# Altium PCB PCB,SafetySystem.PcbDoc (part 2 of 2)
Units mm, origin at the board's own origin, x right, y up, seen from the top; angles counter-clockwise.
Board outline 86.61 x 56.9 mm, 2 copper layers (Top Layer, Bottom Layer); 88 components, 88 nets, 378 pads, 31 vias.
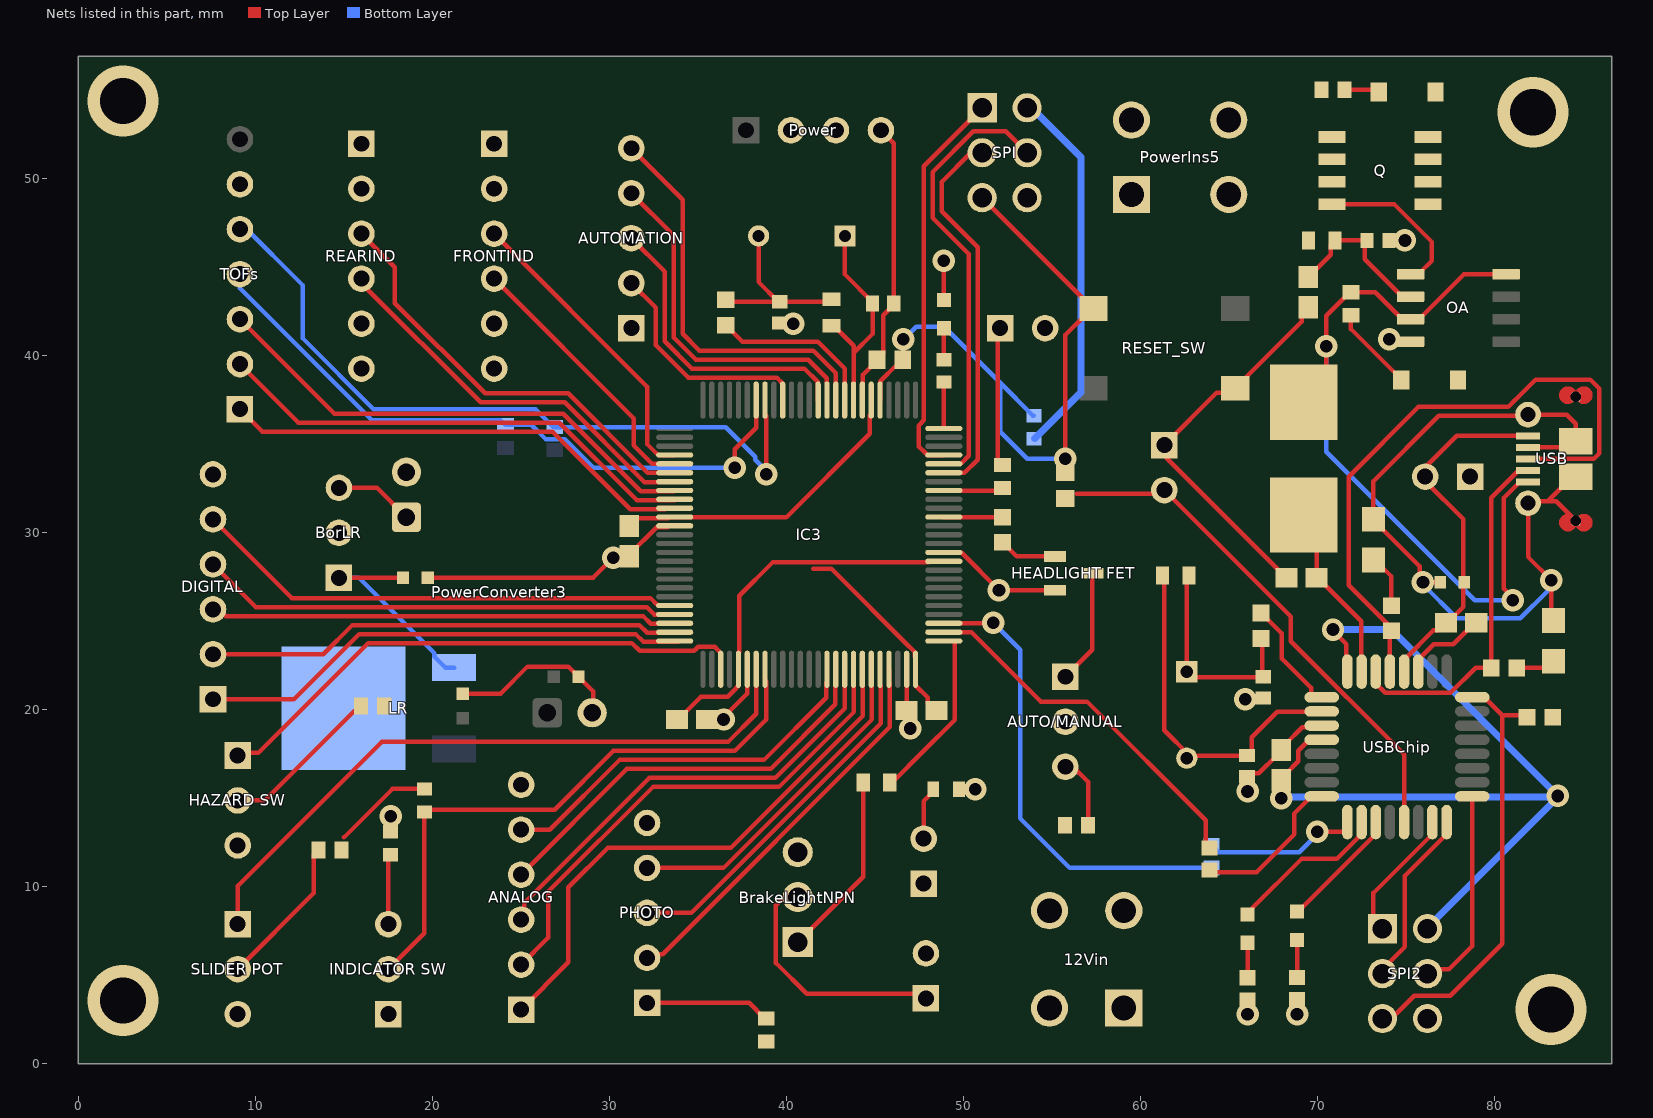
[diagram p2: the nets of this part, all layers, seen from the top]

## Via types
v1: diameter 1.27, hole 0.711, Top Layer to Bottom Layer, 27 vias
v2: diameter 4, hole 2.6, Top Layer to Bottom Layer, 4 vias

## Nets (pads, with @x,y where several pads share a name; then routed paths per layer and width w, separated by ;. In a path a pad name is that pad's centre, name@x,y a point inside that pad or via, vN(x,y) a via of type N, cw(c..) or ccw(c..) an arc to the next point about the centre after c; other vN are vias at no path point) (continued)
+5: BorLR.2 C4.2 C5.2 C6.2 C29.1 D2.1 D3.1 FRONTIND.1 FRONTIND.6 IC3.10 IC3.31 IC3.61 IC3.80 IC3.100 Power.2 Q.5 Q.6 Q.7 Q.8 R4.2 REARIND.1 REARIND.6 RHAZARD.1 RIND1.1 RPHOTO?.1 RRESET.2 RSLIDER.1 SPI2.2 SPI.2 USBChip.4 USBChip.32 | length 123.8
  Top Layer w0.254: 15.018,12.772 17.755,15.509 RIND1.1@19.558,15.509 ; C5.2@31.115,30.353 31.115,30.374 31.538,30.797 33.323,30.797 33.379,30.853 34.609,30.853 34.612,30.856 34.612,30.861 40.005,30.861 44.704,35.56 IC3.31@44.704,36.603 ; C5.2@31.496,29.972 C5.2@31.496,30.047 ; C6.2@34.321,19.856 35.174,20.709 36.684,20.709 37.172,21.197 37.172,21.232 37.279,21.339 37.279,22.237 IC3.80@37.295,22.253 ; IC3.80@37.291,22.265 37.291,23.177 37.338,23.224 37.338,26.416 39.243,28.321 IC3.10@48.031,28.321 ; 41.529,27.94 42.545,27.94 46.943,23.542 46.947,23.542 47.244,23.245 IC3.100@47.244,22.987 ; IC3.100@47.303,21.844 47.303,21.345 47.977,20.671 47.977,20.31 C4.2@48.475,19.812 ; v1(67.945,14.986) C29.1@67.945,16.002 ; C29.1@68.209,16.373 68.907,17.072 68.907,17.672 69.524,18.288 USBChip.4@70.231,18.288 ; v1@70.866,24.436 71.627,23.675 71.627,22.192 USBChip.32@71.681,22.138
  Bottom Layer w0.254: RRESET.2@53.975,35.291 RRESET.2@54.025,35.291 ; v1(67.945,14.986) v1@68.008,15.05 ; SPI2.2@76.2,7.62 SPI2.2@76.2,7.683 ; v1@83.502,15.05 v1(83.566,15.113) v1@83.566,15.05
  Bottom Layer w0.4: SPI.2@53.848,53.975 56.642,51.181 56.642,37.908 RRESET.2@54.025,35.291 ; v1@68.008,15.05 v1@83.502,15.05 ; v1(70.866,24.511) 74.168,24.511 v1(83.566,15.113) ; SPI2.2@76.2,7.683 v1@83.566,15.05
+12: 12Vin.2 12Vin.4 BRAKELIGHT.2 RHEADLIGHTS.2 TAILLIGHT.1 | length 0.1
  Top Layer w0.254: RHEADLIGHTS.2@55.738,13.387 RHEADLIGHTS.2@55.738,13.462
ADC3: ANALOG.1 IC3.94 | length 30.4
  Top Layer w0.254: ANALOG.1@25.019,3.048 27.686,5.715 27.686,9.955 29.923,12.192 36.87,12.192 44.323,19.645 IC3.94@44.323,21.336
ADC4: ANALOG.2 IC3.93 | length 28.6
  Top Layer w0.254: ANALOG.2@25.019,5.588 26.543,7.112 26.543,9.696 32.468,15.621 39.58,15.621 43.815,19.856 43.815,21.571 43.812,21.573 43.812,22.236 IC3.93@43.795,22.253
ADC5: ANALOG.3 IC3.92 | length 24.9
  Top Layer w0.254: ANALOG.3@25.184,8.293 25.184,9.055 32.258,16.129 39.37,16.129 43.307,20.066 43.307,21.316 43.3,21.324 43.3,21.513 IC3.92@43.307,21.52
ADC6: ANALOG.4 IC3.91 | length 22.8
  Top Layer w0.254: ANALOG.4@25.019,10.668 30.988,16.637 39.116,16.637 42.763,20.284 IC3.91@42.763,21.349
ADC7: ANALOG.5 IC3.90 | length 21.2
  Top Layer w0.254: ANALOG.5@25.019,13.208 26.64,13.208 30.577,17.145 38.735,17.145 42.255,20.665 IC3.90@42.255,21.513
D+: RDA2.2 USB.3 USBChip.29 | length 36.2
  Top Layer w0.254: USBChip.29@74.081,22.138 RDA2.2@74.081,24.01 ; RDA2.2@74.408,24.35 71.755,27.004 71.755,33.147 75.692,37.084 80.772,37.084 80.993,37.305 cw(c81.882,36.647) 81.224,37.536 82.316,38.628 85.397,38.628 85.913,38.112 85.913,34.457 85.603,34.147 USB.3@81.882,34.147
D-: RDA1.2 USB.2 USBChip.30 | length 19.8
  Top Layer w0.254: USBChip.30@73.281,22.138 73.281,21.463 73.808,20.936 77.499,20.936 78.92,22.356 79.807,22.356 79.807,31.955 79.883,32.031 79.883,32.044 USB.2@81.323,33.485
GND: 12Vin.1 12Vin.3 "HAZARD SW.3" "HEADLIGHT FET.2" "INDICATOR SW.1" "SLIDER POT.3" ANALOG.6 AUTO/MANUAL.2 AUTOMATION.1 BrakeLightNPN.3 BUZZER.2 C1.2 C4.1 C5.1 C6.1 C7.1 C10.1 C11.2 C15.1 C29.2 CLRI.2 CLRO.2 CPC5.2 CX1.1 CX2.1 DIGITAL.6 FRONTIND.2 FRONTIND.5 GNDJumper.1 IC3.11 IC3.32 IC3.62 IC3.81 IC3.99 LR.3 OA.4 PHOTO.5 Power.3 Power.4 PowerConverter3.2 PowerConverter3.4 PowerIns5.1 PowerIns5.3 R22.1 REARIND.2 REARIND.5 RESET_SW.4 RIND2.2 RLEDR.2 RLEDT.2 RTAILLIGHT.2 SPI2.6 SPI.6 TESTLED.1 TOFs.6 USBBootJumper.1 USBChip.3 | length 87
  Top Layer w0.254: RIND2.2@17.653,13.096 v1(17.653,13.97) ; CLRI.2@19.75,27.432 29.083,27.432 v1(30.226,28.575) C5.1@31.037,28.575 ; CLRO.2@21.717,20.893 23.858,20.893 25.386,22.421 27.682,22.421 CPC5.2@28.259,21.844 29.083,21.02 PowerConverter3.4@29.083,20.152 ; C5.1@31.115,28.728 32.677,30.29 IC3.62@33.294,30.29 ; C6.1@35.521,19.431 v1(36.449,19.431) 36.449,19.558 37.787,20.896 IC3.81@37.787,21.844 ; CX1.1@39.624,41.818 40.354,41.818 v1(40.386,41.785) ; IC3.32@44.323,38.334 44.323,38.902 C1.2@45.122,39.701 ; Power.4@45.339,52.705 46.066,51.978 CX2.1@46.066,42.926 ; C1.2@45.47,40.099 45.47,42.255 CX2.1@46.066,42.851 ; C4.1@46.791,19.955 46.791,22.249 IC3.99@46.795,22.253 ; v1(46.99,18.923) C4.1@46.99,19.724 ; IC3.11@48.895,28.853 48.904,28.844 49.896,28.844 v1(52.004,26.736) 55.177,26.736 ; TESTLED.1@48.895,43.129 v1(48.895,45.339) ; RTAILLIGHT.2@49.747,15.494 v1(50.673,15.494) ; USBBootJumper.1@61.341,34.925 64.309,37.893 RESET_SW.4@64.668,37.893 ; USBBootJumper.1@61.487,34.779 61.487,34.182 C7.1@68.091,27.578 ; RESET_SW.4@65.419,38.213 69.09,41.885 C15.1@69.09,42.332 ; v1@65.927,20.588 65.948,20.609 66.894,20.609 C10.1@66.929,20.644 ; v1(66.04,2.794) RLEDR.2@66.04,3.594 ; v1(66.04,15.367) C11.2@66.04,16.169 ; C11.2@66.199,16.39 66.675,16.39 C29.2@67.688,17.402 ; C29.2@68.184,18.049 69.136,19.001 69.375,19.001 69.462,19.088 USBChip.3@70.231,19.088 ; v1(68.834,2.794) RLEDT.2@68.834,3.603 ; v1(74.041,40.894) 74.105,40.831 75.182,40.831 OA.4@75.245,40.767
  other v1: 65.913,20.574 74.93,46.482
  other v2: 83.185,3.048 2.54,3.556 82.169,53.721 2.54,54.356
HAZARD: "HAZARD SW.1" IC3.78 | length 31.1
  Top Layer w0.254: 9.17,17.552 10.186,17.552 16.383,23.749 31.274,23.749 31.718,23.304 34.798,23.304 35.024,23.53 35.123,23.53 35.135,23.542 35.947,23.542 36.168,23.321 36.168,23.3 36.295,23.173 IC3.78@36.295,22.253
INDICATOR: "INDICATOR SW.2" IC3.83 RIND1.2 | length 32.8
  Top Layer w0.254: 17.526,5.334 19.558,7.366 RIND1.2@19.558,13.97 ; RIND1.2@19.812,14.339 26.912,14.339 30.226,17.653 37.084,17.653 38.853,19.422 IC3.83@38.853,21.59
JumperBottom: C9.1 USBBootJumper.2 USBChip.13 | length 29.2
  Top Layer w0.254: 56.388,32.168 61.558,32.168 68.481,25.245 68.481,23.858 74.881,17.458 USBChip.13@74.881,13.638
L1Left: DA1.1 DA2.1 FB.1 USB.4 USB.6 USB.7 USB.8 USB.9 USB.10 USB.11 | length 46.5
  Top Layer w0.254: DA2.1@73.152,30.691 75.752,28.091 75.752,27.372 v1(75.946,27.178) FB.1@76.922,27.178 ; DA2.1@73.152,30.741 73.152,32.893 76.835,36.576 USB.7@81.873,36.576 ; USB.4@81.882,34.797 84.232,34.797 USB.10@84.582,35.147 ; USB.7@81.882,36.647 84.061,36.647 84.579,36.129 USB.10@84.579,35.15 ; DA1.1@83.312,25.026 83.185,25.153 v1(83.185,27.305) 81.882,28.608 USB.6@81.882,31.647 81.988,31.753 82.988,31.753 ; USB.8@84.582,30.647 83.476,31.753 82.988,31.753 ; USB.9@84.582,33.147 84.382,33.147 82.988,31.753
  Bottom Layer w0.254: v1@75.946,27.051 77.851,25.146 81.447,25.146 82.991,26.69 82.991,27.111 v1(83.185,27.305)
LD+: DA2.2 RDA2.1 | length 3
  Top Layer w0.254: DA2.2@73.279,28.448 73.279,28.398 74.168,27.509 RDA2.1@74.168,25.861
LD-: DA1.2 RDA1.1 | length 2.1
  Top Layer w0.254: RDA1.1@81.233,22.352 DA1.2@83.312,22.352
LEDR: LED4.2 RLEDR.1 | length 1.7
  Top Layer w0.254: RLEDR.1@66.04,5.08 LED4.2@66.04,6.82
LEDT: LED3.2 RLEDT.1 | length 1.9
  Top Layer w0.254: RLEDT.1@68.834,5.08 LED3.2@68.834,6.985
LINDFRONT: FRONTIND.3 IC3.54 | length 17.3
  Top Layer w0.254: FRONTIND.3@23.495,46.863 32.131,38.227 32.131,34.984 32.639,34.476 32.66,34.476 32.783,34.353 IC3.54@33.695,34.353
LINDREAR: IC3.56 REARIND.3 | length 24.5
  Top Layer w0.254: REARIND.3@16.002,46.863 17.892,44.973 17.892,42.941 22.987,37.846 27.686,37.846 32.179,33.353 IC3.56@33.695,33.353
LRN: BorLR.1 CLRI.1 LR.1 | length 12.3
  Top Layer w0.254: BorLR.1@14.732,27.432 CLRI.1@18.35,27.432
  Bottom Layer w0.254: BorLR.1@14.732,27.432 15.863,27.432 20.113,23.182 20.113,22.989 20.736,22.366 LR.1@21.236,22.366
M8RXD: RM8RXD.1 USBChip.9 | length 8.2
  Top Layer w0.254: v1(69.977,13.081) 69.981,13.085 USBChip.9@71.521,13.085
  Bottom Layer w0.254: RM8RXD.1@64.008,12.3 64.034,12.3 64.396,11.938 68.961,11.938 69.977,12.954 v1(69.977,13.081)
M8TXD: RM8TXD.1 USBChip.8 | length 8.7
  Top Layer w0.254: RM8TXD.1@63.995,10.817 66.56,10.817 68.681,12.939 68.681,14.119 69.65,15.088 USBChip.8@70.231,15.088
MISO2: SPI2.1 USBChip.15 | length 7.6
  Top Layer w0.254: SPI2.1@73.66,7.62 73.152,8.128 73.152,9.634 76.481,12.963 USBChip.15@76.481,13.638
MOSI2: SPI2.4 USBChip.17 | length 11.3
  Top Layer w0.254: SPI2.4@76.434,5.314 77.406,5.314 78.731,6.639 USBChip.17@78.731,15.088
NetAUTO/MANUAL_1: "HEADLIGHT FET.3" AUTO/MANUAL.1 | length 6.5
  Top Layer w0.254: AUTO/MANUAL.1@55.753,21.844 57.277,23.368 57.277,27.686
NetAUTO/MANUAL_3: AUTO/MANUAL.3 RHEADLIGHTS.1 | length 3.8
  Top Layer w0.254: AUTO/MANUAL.3@56.092,16.849 57.038,15.904 RHEADLIGHTS.1@57.038,13.462
NetAUTOMATION_2: AUTOMATION.2 IC3.41 | length 13.1
  Top Layer w0.254: AUTOMATION.2@31.242,44.069 32.617,42.694 32.617,40.578 34.454,38.742 39.447,38.742 39.668,38.521 39.668,38.5 39.786,38.382 IC3.41@39.786,37.462
NetAUTOMATION_3: AUTOMATION.3 IC3.37 | length 17.2
  Top Layer w0.254: AUTOMATION.3@31.242,46.609 33.125,44.726 33.125,40.789 34.664,39.25 39.658,39.25 39.665,39.243 41.021,39.243 41.768,38.496 41.768,38.4 41.782,38.386 IC3.37@41.782,37.466
NetAUTOMATION_4: AUTOMATION.4 IC3.36 | length 19
  Top Layer w0.254: AUTOMATION.4@31.242,49.149 33.633,46.758 33.633,40.999 34.874,39.758 39.868,39.758 39.875,39.751 41.231,39.751 42.287,38.695 IC3.36@42.287,38.481
NetAUTOMATION_5: AUTOMATION.5 IC3.35 | length 22.8
  Top Layer w0.254: AUTOMATION.5@31.242,51.689 34.141,48.79 34.141,41.21 35.085,40.266 40.078,40.266 40.085,40.259 41.529,40.259 42.795,38.993 IC3.35@42.795,37.453
NetBorLR_3: BorLR.3 PowerConverter3.1 | length 4.5
  Top Layer w0.254: BorLR.3@14.732,32.512 16.881,32.512 PowerConverter3.1@18.542,30.851
NetBRAKELIGHT_1: BRAKELIGHT.1 BrakeLightNPN.2 | length 13.5
  Top Layer w0.254: BrakeLightNPN.2@40.259,9.779 39.409,8.929 39.409,5.676 41.148,3.937 BRAKELIGHT.1@47.752,3.937
NetBrakeLightNPN_1: BrakeLightNPN.1 RBrakeLight.2 | length 10.5
  Top Layer w0.254: BrakeLightNPN.1@40.64,6.858 44.335,10.553 RBrakeLight.2@44.335,15.875
NetBUZZER_1: BUZZER.1 RBUZZ.2 | length 7.7
  Top Layer w0.254: RBUZZ.2@51.943,33.812 BUZZER.1@51.943,41.529
NetC3_2: C3.2 USBChip.27 | length 4.8
  Top Layer w0.254: USBChip.27@75.681,22.138 75.681,22.813 76.552,23.684 77.659,23.684 78.359,24.384 78.372,24.384 78.88,24.892 C3.2@78.955,24.892
NetC7_2: C7.2 Fuse.2 USBChip.31 | length 9.4
  Top Layer w0.254: C7.2@69.938,27.432 Fuse.2@69.938,30.491 ; C7.2@70.013,27.432 72.463,24.982 USBChip.31@72.463,22.156
NetC10_2: C10.2 R31.1 R32.1 X.1 | length 11.5
  Top Layer w0.254: X.1@62.611,22.125 R31.1@62.611,27.559 ; X.1@62.913,21.823 C10.2@66.908,21.823 ; C10.2@66.875,21.898 R32.1@66.875,23.93
NetC15_2: C15.2 OA.2 R21.1 R22.2 | length 8.6
  Top Layer w0.254: C15.2@69.806,44.748 70.733,45.675 70.733,46.234 R21.1@70.981,46.482 R22.2@72.664,46.482 ; R22.2@72.791,46.482 R22.2@72.664,46.482 ; OA.2@75.245,43.307 74.77,43.307 72.664,45.413 R22.2@72.664,46.482
NetCX1_2: CX1.2 R1.2 R3.1 Y1.2 | length 10.2
  Top Layer w0.254: R3.1@36.576,43.133 36.691,43.018 39.549,43.018 38.427,44.14 Y1.2@38.427,46.736 ; CX1.2@39.624,43.018 42.395,43.018 R1.2@42.545,43.168
NetCX2_2: CX2.2 IC3.33 R1.1 Y1.1 | length 12.5
  Top Layer w0.254: R1.1@42.545,41.668 42.67,41.668 43.811,40.527 43.811,40.146 ; Y1.1@43.307,46.736 43.307,44.56 44.866,43.001 CX2.2@44.866,42.926 44.866,41.201 43.811,40.146 ; IC3.33@43.795,37.453 43.811,37.469 43.811,40.146
NetD2_2: "XVCC NC.2" D2.2 | length 4.3
  Top Layer w0.254: 71.882,42.261 71.882,41.48 D2.2@74.341,39.021
NetD3_2: D3.2 PC_Power_Jumper.2 | length 2
  Top Layer w0.254: PC_Power_Jumper.2@71.516,54.991 73.33,54.991 D3.2@73.457,54.864
NetDigital_1: DIGITAL.1 IC3.75 | length 28
  Top Layer w0.254: DIGITAL.1@7.62,20.574 12.192,20.574 15.875,24.257 31.484,24.257 31.929,23.812 33.27,23.812 33.281,23.824 IC3.75@33.884,23.824
NetDigital_2: DIGITAL.2 IC3.74 | length 27
  Top Layer w0.254: DIGITAL.2@7.62,23.114 13.843,23.114 15.494,24.765 31.695,24.765 32.139,24.32 33.059,24.32 33.071,24.332 33.674,24.332 IC3.74@33.695,24.353
NetDigital_3: DIGITAL.3 IC3.73 | length 25.5
  Top Layer w0.254: DIGITAL.3@7.62,25.654 7.957,25.654 8.338,25.273 31.905,25.273 32.341,24.837 32.512,24.837 32.521,24.828 IC3.73@32.766,24.828 ; IC3.73@33.017,24.837 IC3.73@33.02,24.84
NetDigital_4: DIGITAL.4 IC3.72 | length 26.3
  Top Layer w0.254: DIGITAL.4@7.62,28.194 10.033,25.781 32.115,25.781 32.551,25.345 IC3.72@32.725,25.345
NetDigital_5: DIGITAL.5 IC3.71 | length 28.1
  Top Layer w0.254: DIGITAL.5@7.62,30.734 12.065,26.289 32.326,26.289 32.639,25.976 32.66,25.976 32.783,25.853 IC3.71@33.695,25.853
"NetHAZARD SW_2": "HAZARD SW.2" RHAZARD.2 | length 8.7
  Top Layer w0.254: 9.017,14.859 10.541,14.859 RHAZARD.2@15.621,19.939
"NetHEADLIGHT FET_1": "HEADLIGHT FET.1" RGATE.2 | length 3.3
  Top Layer w0.254: RGATE.2@52.211,29.43 53.005,28.636 55.177,28.636
NetIC3_21: IC3.21 SPI.4 | length 24.7
  Top Layer w0.254: IC3.21@49.386,33.909 49.884,33.909 50.292,34.317 50.292,45.72 48.26,47.752 48.26,50.347 50.554,52.641 52.388,52.641 SPI.4@53.594,51.435
NetIC3_25: IC3.25 RTESTLED.2 | length 2.9
  Top Layer w0.254: RTESTLED.2@48.895,38.481 48.895,35.853 49.128,35.853 IC3.25@49.149,35.874
NetIC3_34: IC3.34 R3.2 | length 8.5
  Top Layer w0.254: R3.2@36.93,41.349 37.505,40.774 40.289,40.774 40.296,40.767 41.783,40.767 43.303,39.247 IC3.34@43.303,37.973
"NetINDICATOR SW_3": "INDICATOR SW.3" RIND2.1 | length 3.8
  Top Layer w0.254: 17.526,7.874 RIND2.1@17.526,11.669
NetLED3_1: LED3.1 USBChip.11 | length 6.5
  Top Layer w0.254: LED3.1@69.176,8.858 73.281,12.963 USBChip.11@73.281,13.638
NetLED4_1: LED4.1 USBChip.10 | length 8.6
  Top Layer w0.254: LED4.1@66.313,8.782 69.088,11.557 71.075,11.557 72.481,12.963 USBChip.10@72.481,13.638
NetOA_1: OA.1 Q.4 | length 8.6
  Top Layer w0.254: Q.4@70.815,48.514 74.335,48.514 76.454,46.395 76.454,45.339 OA.1@75.755,44.64
NetPHOTO_1: PHOTO.1 RPHOTO?.2 | length 7.1
  Top Layer w0.254: PHOTO.1@32.131,3.429 37.898,3.429 38.787,2.54 RPHOTO?.2@38.862,2.54
NetRSLIDER_2: "SLIDER POT.2" RSLIDER.2 | length 8.2
  Top Layer w0.254: 9.017,5.334 13.301,9.618 RSLIDER.2@13.301,11.792
NetRTAILLIGHT_1: RTAILLIGHT.1 TAILLIGHT.2 | length 2.9
  Top Layer w0.254: TAILLIGHT.2@47.752,12.7 47.752,14.824 RTAILLIGHT.1@48.297,15.369
NetRTESTLED_1: RTESTLED.1 TESTLED.2 | length 1.6
  Top Layer w0.254: RTESTLED.1@48.895,39.932 TESTLED.2@48.895,41.529
PB1: IC3.20 SPI.3 | length 21.7
  Top Layer w0.254: IC3.20@48.904,33.362 50.055,33.362 50.8,34.106 50.8,46.101 48.768,48.133 48.768,49.784 50.419,51.435 SPI.3@51.054,51.435
PB3: IC3.22 SPI.1 | length 22.2
  Top Layer w0.254: 47.835,34.488 47.476,34.847 47.476,36.031 47.618,36.172 47.618,36.188 47.752,36.322 47.752,50.673 SPI.1@51.054,53.975 ; 47.835,34.488 47.935,34.388 47.956,34.388 47.991,34.353 IC3.22@48.895,34.353
PC_5V: PC_Power_Jumper.1 PowerIns5.2 PowerIns5.4 Q.1 Q.2 Q.3 R21.2
PE0: IC3.2 RM8TXD.2 | length 20.3
  Top Layer w0.254: IC3.2@48.895,24.353 50.45,24.353 54.356,20.447 56.971,20.447 63.682,13.737 63.682,12.61
PE1: IC3.3 RM8RXD.2 | length 25.4
  Top Layer w0.254: IC3.3@49.911,24.861 v1@51.658,24.861
  Bottom Layer w0.254: v1(51.689,24.892) 53.213,23.368 53.213,13.843 56.007,11.049 RM8RXD.2@64.008,11.049
"PHOTO 1": IC3.97 PHOTO.2 | length 22.1
  Top Layer w0.254: PHOTO.2@32.341,6.179 33.012,6.179 45.847,19.014 45.847,21.497 45.812,21.532 45.812,22.244 IC3.97@45.791,22.265
"PHOTO 2": IC3.96 PHOTO.3 | length 19.7
  Top Layer w0.254: PHOTO.3@32.131,8.509 34.624,8.509 45.339,19.224 IC3.96@45.339,21.321
"PHOTO 3": IC3.95 PHOTO.4 | length 18.1
  Top Layer w0.254: PHOTO.4@32.131,11.049 36.445,11.049 44.831,19.435 IC3.95@44.831,21.341
"PMW 9": IC3.18 RBUZZ.1 | length 3.2
  Top Layer w0.254: IC3.18@48.895,32.353 RBUZZ.1@52.053,32.353
"PWM BL": IC3.1 RBrakeLight.1 | length 9.3
  Top Layer w0.254: RBrakeLight.1@46.101,16.002 47.649,17.55 49.517,19.418 IC3.1@49.517,23.845
"PWM HL": IC3.15 RGATE.1 | length 3.3
  Top Layer w0.254: IC3.15@48.895,30.853 RGATE.1@52.189,30.853
RESET: C1.1 C9.2 IC3.30 RESET_SW.1 RRESET.1 SPI.5 | length 37.3
  Top Layer w0.254: IC3.30@45.295,37.453 45.3,37.458 45.3,38.529 C1.1@46.248,39.477 ; C1.1@46.609,39.788 v1(46.609,40.894) ; SPI.5@51.054,48.895 RESET_SW.1@56.959,42.989 ; v1(55.753,34.163) 55.753,41.148 RESET_SW.1@56.896,42.291
  Bottom Layer w0.254: v1(46.609,40.894) 46.628,40.894 47.337,41.603 48.913,41.603 52.07,38.446 ; RRESET.1@53.975,36.591 53.925,36.591 52.07,38.446 ; v1(55.753,34.163) 53.594,34.163 52.07,35.687 52.07,38.446
RESET2: R4.1 SPI2.5 USBChip.24 | length 25.1
  Top Layer w0.254: SPI2.5@73.927,2.807 74.435,2.807 75.453,3.825 77.485,3.825 80.421,6.761 80.421,19.673 ; USBChip.24@78.056,20.688 USBChip.24@78.731,20.688 79.406,20.688 80.421,19.673 ; R4.1@81.71,19.673 80.421,19.673
RINDFRONT: FRONTIND.4 IC3.55 | length 14.4
  Top Layer w0.254: FRONTIND.4@23.495,44.323 31.369,36.449 31.369,34.925 32.433,33.861 32.639,33.861
RINDREAR: IC3.57 REARIND.4 | length 21.4
  Top Layer w0.254: REARIND.4@16.002,44.069 22.733,37.338 27.476,37.338 31.984,32.829 IC3.57@32.766,32.829
SCK2: SPI2.3 USBChip.16 | length 9.8
  Top Layer w0.254: SPI2.3@73.66,5.334 74.93,6.604 74.93,10.612 77.281,12.963 USBChip.16@77.281,13.638
SCL: IC3.43 RSCL.2 TOFs.5 | length 40.6
  Top Layer w0.254: v1(38.862,33.274) 38.868,33.28 IC3.43@38.868,36.576
  Bottom Layer w0.254: TOFs.5@9.335,47.307 12.7,43.942 12.7,40.946 16.689,36.957 25.833,36.957 26.849,35.941 RSCL.2@26.924,35.941 36.576,35.941 38.244,34.273 38.244,34.093 38.862,33.475 v1(38.862,33.274)
SDA: IC3.44 RSDA.2 TOFs.4 | length 37.2
  Top Layer w0.254: v1(37.084,33.655) 37.084,34.692 38.295,35.903 IC3.44@38.295,37.453
  Bottom Layer w0.254: TOFs.4@9.144,44.577 9.144,43.783 16.586,36.341 23.857,36.341 RSDA.2@24.13,36.068 25.601,36.068 26.401,35.268 27.493,35.268 29.106,33.655 v1(37.084,33.655)
SLIDER: "SLIDER POT.1" IC3.82 | length 38
  Top Layer w0.254: 9.017,7.874 9.017,10.033 17.145,18.161 36.703,18.161 38.295,19.753 IC3.82@38.295,22.253
UGND: C3.1 FB.2 GNDJumper.2 USB.5 USBChip.28 | length 20
  Top Layer w0.254: USBChip.28@74.881,22.138 74.881,22.813 76.537,24.469 76.832,24.469 C3.1@77.255,24.892 77.33,24.892 78.232,25.794 78.232,27.178 78.232,30.734 GNDJumper.2@76.073,32.893 ; GNDJumper.2@75.943,33.531 77.858,35.447 USB.5@81.882,35.447
XSHUTLDS: IC3.59 TOFs.2 | length 27.7
  Top Layer w0.254: TOFs.2@9.144,39.497 12.446,36.195 27.182,36.195 31.563,31.813 33.685,31.813 IC3.59@33.695,31.824
XSHUTRDS: IC3.60 TOFs.1 | length 26.3
  Top Layer w0.254: TOFs.1@9.144,36.957 10.414,35.687 26.797,35.687 31.179,31.305 IC3.60@33.147,31.305
XSHUTRVS: IC3.58 TOFs.3 | length 28.6
  Top Layer w0.254: TOFs.3@9.144,42.037 14.478,36.703 27.392,36.703 31.774,32.322 32.864,32.322 32.874,32.332 33.674,32.332 IC3.58@33.695,32.353
XT1: R32.2 USBChip.1 | length 6.4
  Top Layer w0.254: R32.2@66.804,25.457 67.973,24.288 67.973,22.871 69.628,21.216 69.628,20.848 69.788,20.688 USBChip.1@70.231,20.688
XT2: C11.1 R31.2 USBChip.2 X.2 | length 19
  Top Layer w0.254: R31.2@61.341,27.178 61.341,18.821 X.2@62.764,17.398 ; X.2@62.745,17.379 C11.1@65.988,17.379 ; C11.1@66.278,17.648 66.278,18.432 67.713,19.867 70.21,19.867 USBChip.2@70.231,19.888
XVCC: "XVCC NC.1" Fuse.1 OA.3 OA.8 USB.1 | length 45.5
  Top Layer w0.254: Fuse.1@70.231,37.154 70.485,37.408 70.485,42.239 71.807,43.561 73.246,43.561 74.77,42.037 OA.3@75.245,42.037 75.72,42.037 78.26,44.577 OA.8@80.645,44.577 OA.8@80.772,44.704 ; v1(81.026,26.162) 81.026,26.311 80.518,26.819 80.518,31.958 81.407,32.847 USB.1@81.882,32.847
  Bottom Layer w0.254: v1(70.485,40.513) 70.485,34.544 78.867,26.162 v1(81.026,26.162)
pads on no net: IC3.4 IC3.5 IC3.6 IC3.7 IC3.8 IC3.9 IC3.12 IC3.13 IC3.14 IC3.16 IC3.17 IC3.19 IC3.23 IC3.24 IC3.26 IC3.27 IC3.28 IC3.29 IC3.38 IC3.39 IC3.40 IC3.42 IC3.45 IC3.46 IC3.47 IC3.48 IC3.49 IC3.50 IC3.51 IC3.52 IC3.53 IC3.63 IC3.64 IC3.65 IC3.66 IC3.67 IC3.68 IC3.69 IC3.70 IC3.76 IC3.77 IC3.79 IC3.84 IC3.85 IC3.86 IC3.87 IC3.88 IC3.89 IC3.98 OA.5 OA.6 OA.7 RESET_SW.2 RESET_SW.3 USBChip.5 USBChip.6 USBChip.7 USBChip.12 USBChip.14 USBChip.18 USBChip.19 USBChip.20 USBChip.21 USBChip.22 USBChip.23 USBChip.25 USBChip.26

## Polygon pours and split planes (outlines as drawn)
+5 on Top Layer "+5_L01_P042" (solid, pour order 42): 16.129,29.591 28.321,29.591 28.321,30.988 28.448,30.988 31.369,30.988 31.369,29.718 28.956,29.718 28.956,28.829 16.129,28.829
+5 on Top Layer "+5_L01_P012" (solid, pour order 12): 6.302,35.369 13.081,35.369 13.081,30.821 16.383,30.821 16.383,28.575 12.255,28.575 12.255,34.544 6.096,34.544
+5 on Top Layer "+5_L01_P011" (solid, pour order 11): 14.085,56.515 3.683,56.515 3.683,0.254 6.477,0.254 6.477,54.737 6.477,54.991 14.224,54.991
+5 on Top Layer "+5_L01_P014" (solid, pour order 14): 3.683,1.397 14.351,1.397 14.351,12.954 15.748,12.954 15.748,0.127 3.683,0.127
+5 on Top Layer "+5_L01_P015" (solid, pour order 15): 17.907,19.502 11.747,13.208 5.715,13.208 5.715,13.589 6.096,13.97 11.303,13.97 17.716,20.383
PC_5V on Top Layer "PC_5V_L01_P041" (solid, pour order 41): 58.166,54.864 58.166,52.451 58.166,51.816 67.31,51.816 67.31,54.61 67.437,54.737 67.31,54.864
PC_5V on Top Layer "PC_5V_L01_P038" (solid, pour order 38): 66.929,45.339 70.104,45.339 70.104,47.498 69.342,48.26 69.342,49.149 72.136,49.149 72.136,53.467 70.739,53.467 70.739,55.372 66.929,55.372
+12 on Top Layer "+12_L01_P000" (solid, pour order 0): 46.804,11.176 49.53,11.176 49.657,11.303 49.657,14.224 55.88,14.224 55.88,10.668 57.023,10.668 57.15,10.795 57.15,1.905 50.927,1.905 50.927,2.921 50.927,5.334 46.703,5.334
+5 on Top Layer "+5_L01_P039" (solid, pour order 39): 40.386,32.512 40.386,36.83 46.99,36.83 46.99,34.798
+5 on Top Layer "+5_L01_P007" (solid, pour order 7): 75.311,55.753 75.311,47.879 82.952,47.879 82.831,56.515 13.081,56.515 13.081,38.451 18.034,38.451 18.034,40.386 14.478,40.386 14.478,50.927 25.412,50.927 25.412,55.044 39.243,55.044 39.243,53.34 39.243,50.927 41.529,50.927 41.402,51.054 41.402,53.721 41.402,55.044 52.197,55.044 52.197,53.594 53.34,52.451 57.658,52.451 57.658,55.753
+5 on Top Layer "+5_L01_P009" (solid, pour order 9): 21.971,40.767 25.019,40.767 25.019,38.481 22.987,38.481 19.685,41.783 19.685,51.308 20.574,51.308 21.971,51.816
+5 on Top Layer "+5_L01_P019" (solid, pour order 19): 16.603,19.502 16.764,23.495 30.607,23.495 32.766,21.336 34.163,21.336 34.163,18.542 32.258,18.542 32.258,20.701 30.226,22.733 17.907,22.86 17.907,19.502
+5 on Top Layer "+5_L01_P020" (solid, pour order 20): 14.437,1.27 12.065,1.27 12.212,0.254 33.528,0.254 34.163,0.254 34.163,1.524 30.099,1.524 30.099,1.397 29.591,1.397 29.337,1.397 15.875,1.27 15.748,1.27 15.748,1.397 15.748,3.79
+5 on Top Layer "+5_L01_P022" (solid, pour order 22): 84.328,41.148 81.026,37.846 77.724,37.846 77.724,39.624 81.661,39.624 81.661,56.515 84.328,56.515
+5 on Top Layer "+5_L01_P023" (solid, pour order 23): 33.655,1.524 84.074,1.524 84.074,0.381 33.147,0.381 33.147,0.635 33.655,1.143
+5 on Top Layer "+5_L01_P025" (solid, pour order 25): 84.074,20.828 84.074,0 82.55,0 82.55,20.828
+5 on Top Layer "+5_L01_P034" (solid, pour order 34): 80.264,1.524 80.264,5.969 84.074,5.969 84.074,1.524
+5 on Top Layer "+5_L01_P036" (solid, pour order 36): 34.671,30.614 47.879,35.585 47.879,22.987 34.671,22.987
no net on Top Layer "NONET_L01_P013" (solid, pour order 13): 10.668,35.433 10.668,35.115 10.668,35.306
GND on Bottom Layer "GND_L02_P037" (solid, pour order 37): 0.52,56.515 85.61,56.515 85.61,0.185 0.52,0.185

## Keep-outs
Keep-Out Layer:
  the board outline again, w0.254

## Silkscreen, mask and mechanical layers (free items; w line width, h text height)
Top Overlay:
  text "3V3" at 37.057,55.599 h0.4
  text "+5" at 39.597,55.599 h0.4
  text "GND" at 42.137,55.472 h0.4
  text "GND" at 45.058,55.472 h0.4
  text "5Vin" at 68.045,55.018 h0.4 r270
  text "." at 48.876,51.2 h0.4 r90
  text "SafetySystemV1" at 1.529,50.019 h1.5 r270
  text "GND" at 4.726,49.122 h0.4 r90
  text "GND" at 25.808,48.868 h0.4 r90
  text "GND" at 18.188,48.741 h0.4 r90
  text "GND" at 67.918,48.668 h0.4 r270
  text "GND" at 55.653,48.36 h0.4 r90
  text "SCL" at 4.726,46.709 h0.4 r90
  text "SDA" at 4.726,44.042 h0.4 r90
  text "XSRVS" at 4.726,41.375 h0.4 r90
  text "GND" at 18.188,41.248 h0.4 r90
  text "GND" at 25.808,41.248 h0.4 r90
  text "GND" at 30.961,39.343 h0.4
  text "XSLDS" at 4.726,38.962 h0.4 r90
  text "GND" at 54.075,38.172 h0.4
  text "XSRDS" at 4.726,36.295 h0.4 r90
  text "GND" at 58.32,34.517 h0.4 r90
  text "GND" at 80.545,33.501 h0.4 r90
  text "GND" at 4.599,32.993 h0.4 r90
  text "Daniel Rodriguez" at 2.619,22.225 h1 r270
  text "GND" at 51.843,18.769 h0.4 r90
  text "Bhadra Bejoy" at 1.095,18.669 h1 r270
  text "GND" at 24.484,17.245 h0.4
  text "RHAZ" at 4.98,16.737 h0.4 r90
  text "GND" at 31.723,15.086 h0.4
  text "HPIN" at 4.98,14.07 h0.4 r90
  text "GND" at 4.98,11.53 h0.4 r90
  text "GND" at 59.409,11.53 h0.4
  text "SLID" at 5.361,7.339 h0.4 r90
  text "." at 71.101,4.845 h0.4 r90
  text "RSLID" at 5.369,4.44 h0.4 r90
  text "GND" at 78.259,1.878 h0.4 r90
  text "GND" at 17.118,0.862 h0.4
  text "GND" at 8.355,0.735 h0.4
Bottom Overlay:
  region: 5345 vertices and 0 holes, not listed, extent 31.309,15.371 45.509,44.277

## Text inside footprints (layer, text, board x,y; h text height)
PowerConverter3: Top Overlay "3V3" at 24.919,19.013 h0.4 r90; Top Overlay "GND" at 20.601,33.11 h0.4 r90; Top Overlay "5V" at 20.474,30.316 h0.4 r90; Top Overlay "GND" at 31.015,19.013 h0.4 r90
SPI: Top Overlay "6" at 53.224,47.165 h0.4 r270; Top Overlay "5" at 50.524,47.165 h0.4 r270; Top Overlay "2" at 53.34,55.88 h0.4 r270; Top Overlay "1" at 50.673,55.753 h0.4 r270
SPI2: Top Overlay "1" at 73.406,9.525 h0.4 r270; Top Overlay "2" at 75.946,9.525 h0.4 r270; Top Overlay "5" at 73.13,0.81 h0.4 r270; Top Overlay "6" at 75.83,0.81 h0.4 r270
USB: Mechanical 1 "PCB EDGE" at 86.36,30.607 h0.4 r90